# Altium PCB RS2-708_V010.PcbDoc (part 2 of 4) (continued)
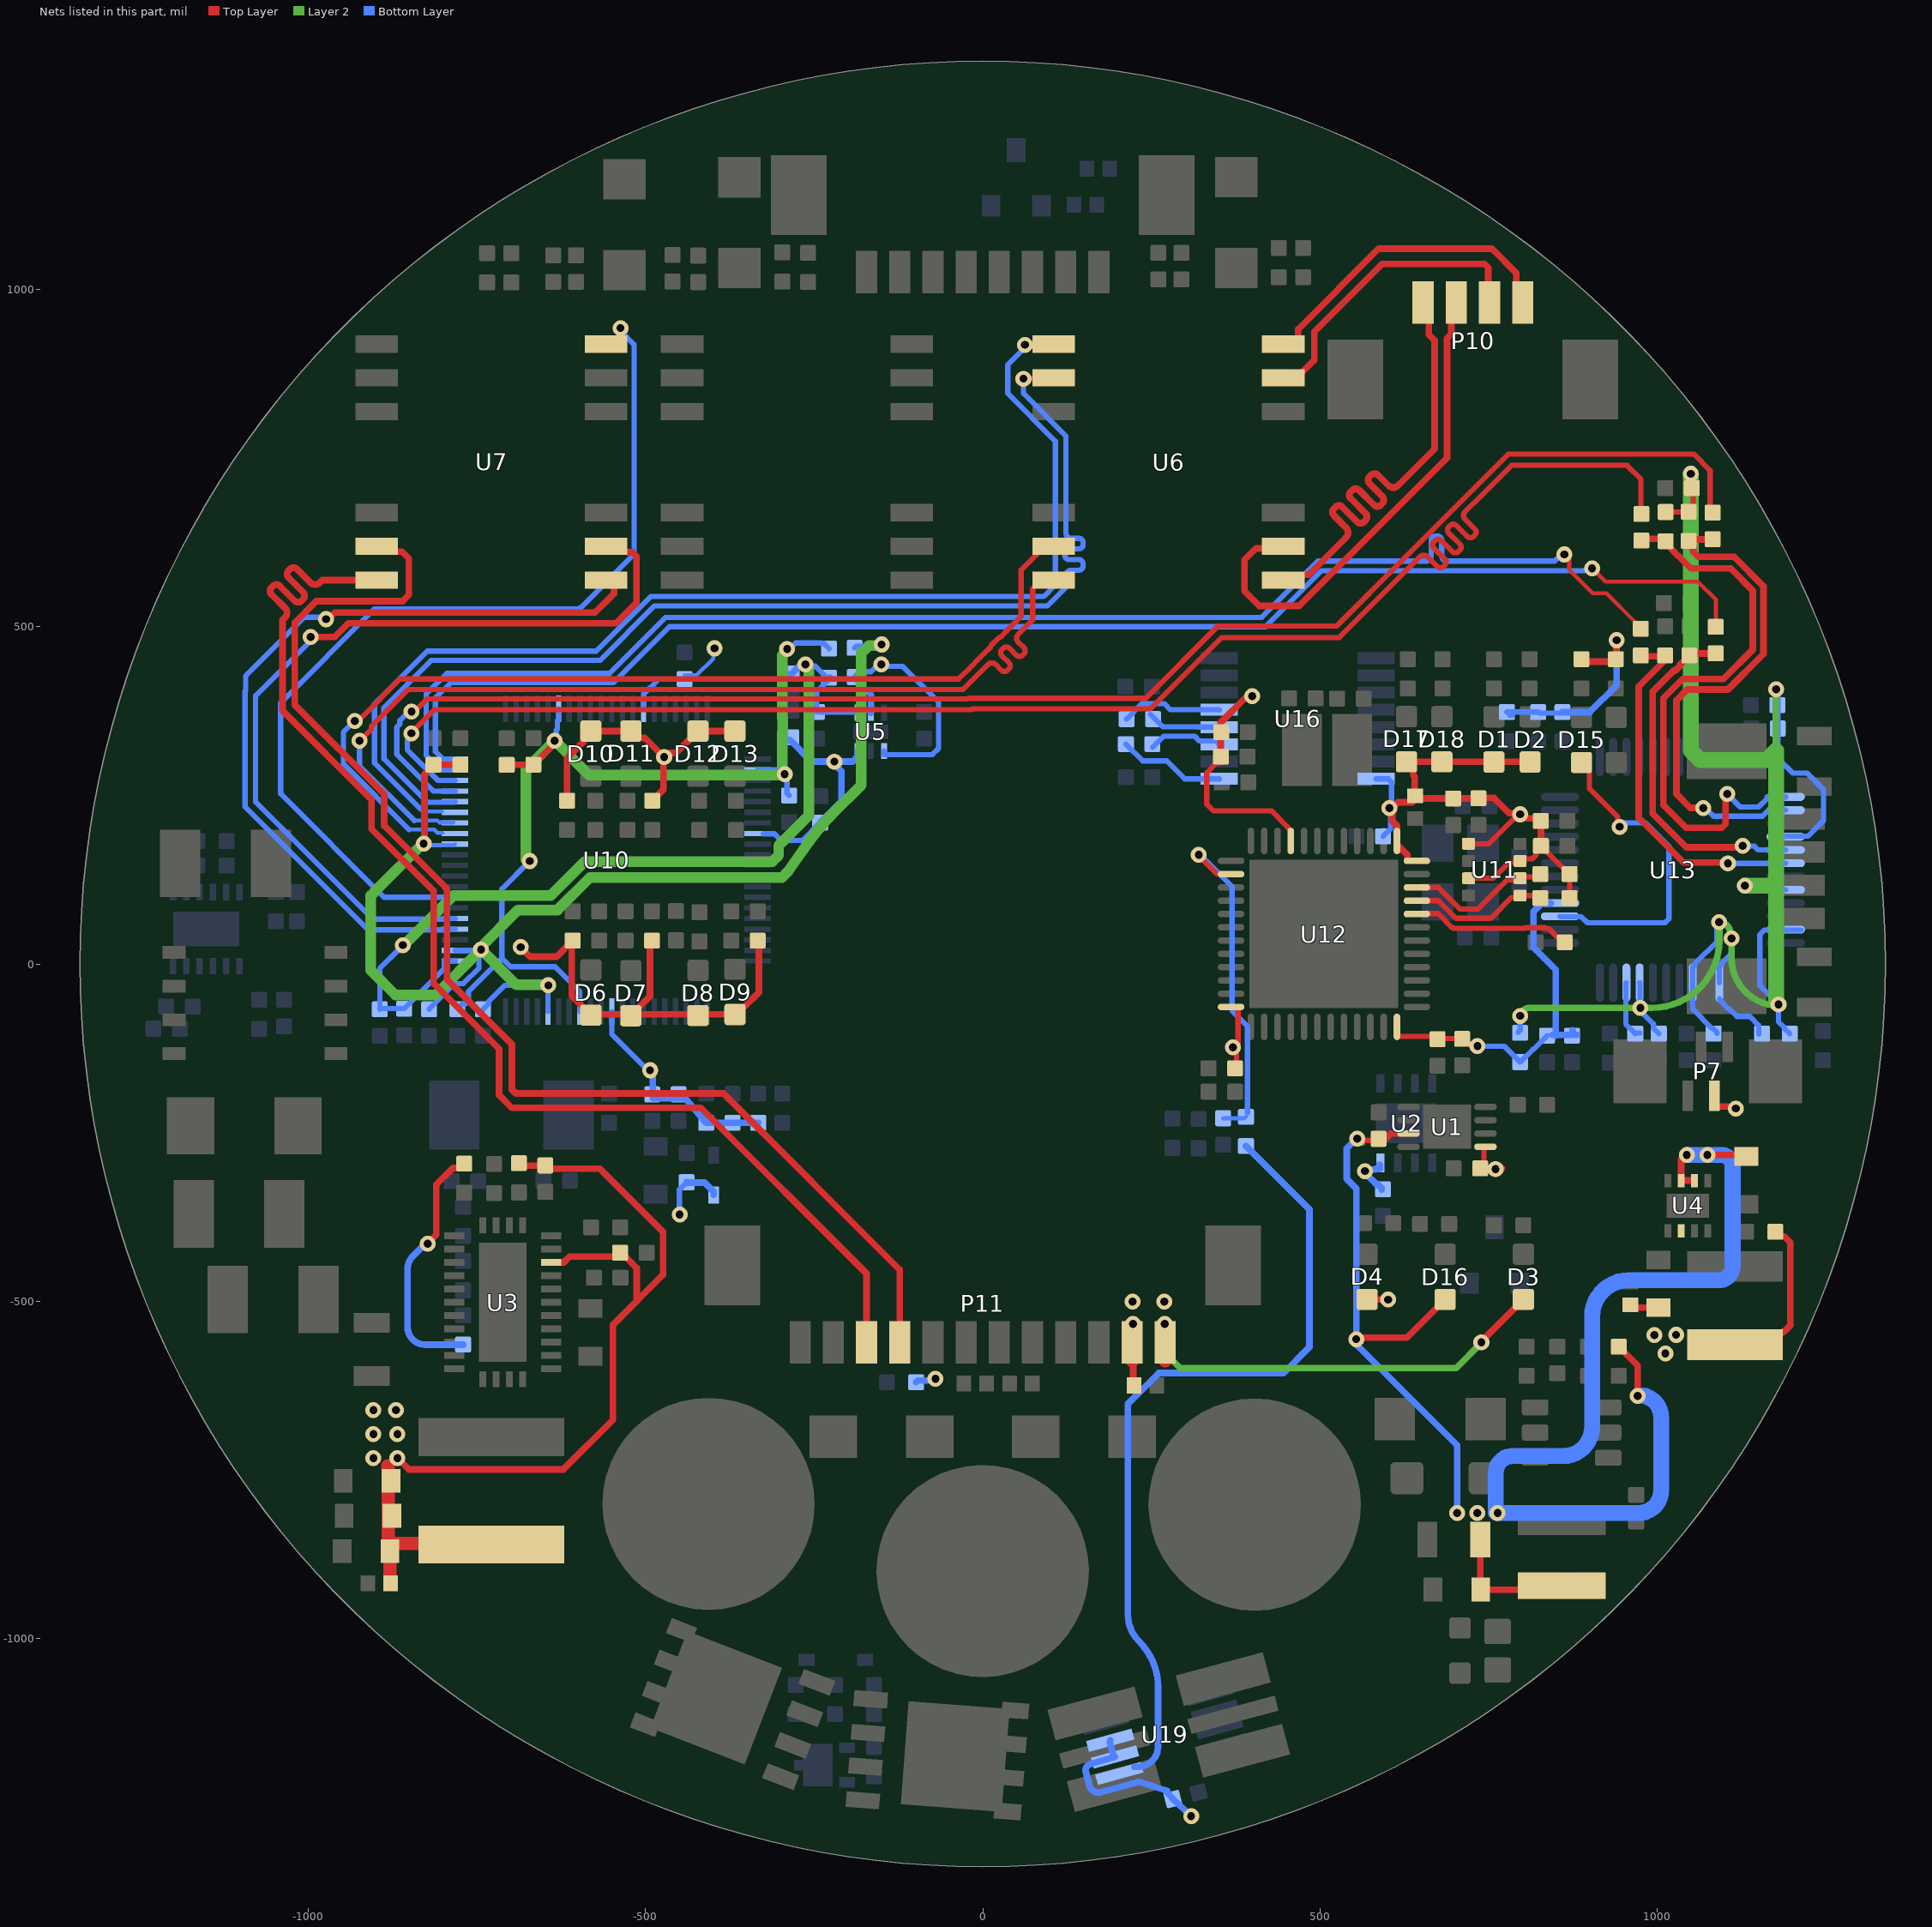
[diagram p4: the nets of this part, all layers, seen from the top]
## Part data (continued)
R61 R62 R63 R66: library part Resistor, "Resistor", Case/Package=0402, Case Code (Metric)=1005, Manufacturer=Yageo, Manufacturer Part Number=RC0402FR-0749R9L, Max Operating Temperature=155°C, Max Power Dissipation=63mW, Min Operating Temperature=-55°C, Package Quantity=1, Power Rating=62.5mW, Resistance=49.9R, Supplier Part Number 1=311-49.9LRCT-ND, Temperature Coefficient=100ppm/°C, Tolerance=1%, Voltage Rating=50V, Case Code (Imperial)=0402, ComponentLink1Description=http://documents.rs-components.com/techlib://itc_doclist_GB.htm?stockno=6184536&src-supplier=RSComponents, ComponentLink1URL=http://documents.rs-components.com/techlib://itc_doclist_GB.htm?stockno=6184536&src-supplier=RSComponents, ComponentLink2Description=http://www.farnell.com/datasheets/2167052.pdf?src-supplier=Element14, ComponentLink2URL=http://www.farnell.com/datasheets/2167052.pdf?src-supplier=Element14, ComponentLink3Description=http://www.yageo.com/documents/recent/PYu-RC0402_51_RoHS_L_6_r.pdf?src-supplier=Future+Electronics, ComponentLink3URL=http://www.yageo.com/documents/recent/PYu-RC0402_51_RoHS_L_6_r.pdf?src-supplier=Future+Electronics, ComponentLink4Description=http://www.yageo.com/documents/recent/PYu-RC_Group_51_RoHS_L_10.pdf?src-supplier=Digi-Key, ComponentLink4URL=http://www.yageo.com/documents/recent/PYu-RC_Group_51_RoHS_L_10.pdf?src-supplier=Digi-Key, Composition="Thick Film", Depth=0.5mm, Features="Moisture Resistant", Height=0.016inch, Lead Free="Lead Free", Length=1mm, Military Standard=Not, Number of Pins=2, Number of Terminations=2, Packaging="Tape and Reel", REACH SVHC="No SVHC", Stock 1=20089105, Supplier 1=Digi-Key, Termination=SMD/SMT, Voltage Rating (DC)=50V, Width=0.5mm, Working Voltage=50V
R65 R67 R74 R75 R79: Case Code (Imperial)=0402, Case Code (Metric)=1005, Manufacturer 1=Panasonic, Manufacturer Part Number 1=ERJ-2RKF1002X, Max Operating Temperature=155°C, Max Power Dissipation=100mW, Min Operating Temperature=-55°C, Package Quantity=1, Resistance=10kR, Supplier Part Number 1=P10.0KLDKR-ND, Temperature Coefficient=100ppm/°C, Tolerance=1%, Voltage Rating=50V, Case/Package=0402, ComponentLink1Description=https://datasheet.ciiva.com/11821/0900766b80f80784-11821171.pdf?src-supplier=RSComponents, ComponentLink1URL=https://datasheet.ciiva.com/11821/0900766b80f80784-11821171.pdf?src-supplier=RSComponents, ComponentLink2Description=https://datasheet.ciiva.com/16199/aoa0000ce2-16199478.pdf?src-supplier=Future+Electronics, ComponentLink2URL=https://datasheet.ciiva.com/16199/aoa0000ce2-16199478.pdf?src-supplier=Future+Electronics, ComponentLink3Description=https://datasheet.ciiva.com/17212/aoa0000ce2-17212102.pdf?src-supplier=Avnet+Europe, ComponentLink3URL=https://datasheet.ciiva.com/17212/aoa0000ce2-17212102.pdf?src-supplier=Avnet+Europe, ComponentLink4Description=https://datasheet.ciiva.com/24023/aoa0000ce2-24023017.pdf?src-supplier=Mouser, ComponentLink4URL=https://datasheet.ciiva.com/24023/aoa0000ce2-24023017.pdf?src-supplier=Mouser, ComponentLink5Description=https://datasheet.ciiva.com/28514/1678782-28514185.pdf?src-supplier=Element14, ComponentLink5URL=https://datasheet.ciiva.com/28514/1678782-28514185.pdf?src-supplier=Element14, ComponentLink6Description=https://datasheet.ciiva.com/43467/1678782-43467402.pdf?src-supplier=Farnell, ComponentLink6URL=https://datasheet.ciiva.com/43467/1678782-43467402.pdf?src-supplier=Farnell, ComponentLink7Description=https://datasheet.ciiva.com/27055/1987020-27055643.pdf?src-supplier=Jameco, ComponentLink7URL=https://datasheet.ciiva.com/27055/1987020-27055643.pdf?src-supplier=Jameco, ComponentLink8Description=https://datasheet.ciiva.com/48531/aoa0000ce2-48531069.pdf?src-supplier=Avnet, ComponentLink8URL=https://datasheet.ciiva.com/48531/aoa0000ce2-48531069.pdf?src-supplier=Avnet, ComponentLink9Description=https://datasheet.ciiva.com/9194/aoa0000ce2-9194142.pdf?src-supplier=Avnet, ComponentLink9URL=https://datasheet.ciiva.com/9194/aoa0000ce2-9194142.pdf?src-supplier=Avnet, ComponentLink10Description=https://datasheet.ciiva.com/16782/70260748-16782590.pdf?src-supplier=Allied+Electronics, ComponentLink10URL=https://datasheet.ciiva.com/16782/70260748-16782590.pdf?src-supplier=Allied+Electronics, ComponentLink11Description=https://datasheet.ciiva.com/16786/70260748-16786734.pdf?src-supplier=Allied+Electronics, ComponentLink11URL=https://datasheet.ciiva.com/16786/70260748-16786734.pdf?src-supplier=Allied+Electronics, ComponentLink12Description=https://datasheet.ciiva.com/30201/aoa0000ce2-30201022.pdf?src-supplier=Onlinecomponents.com, ComponentLink12URL=https://datasheet.ciiva.com/30201/aoa0000ce2-30201022.pdf?src-supplier=Onlinecomponents.com, Composition="Thick Film", Contact Plating=Tin, Depth=0.5mm, Features="Automotive AEC-Q200", Height=0.35mm, Lead Free="Lead Free", Length=1mm, Military Standard=Not, Mount="Surface Mount", Number of Pins=2, Number of Terminations=2, Packaging="Tape and Reel", Power Rating=100mW, Pricing 1="1=0,10000, 10=0,04100, 100=0,01680, 1000=0,00753, 2500=0,00653, 5000=0,00540 (USD)", Radiation Hardening=No, REACH SVHC="No SVHC", RoHS=Yes, Stock 1=3290329, Supplier 1=Digi-Key, Termination=SMD/SMT, Voltage Rating (DC)=50V, Width=0.02inch
R71: "RES 0.005 OHM 1% 2W 2512", Case Code (Imperial)=2512, Case Code (Metric)=6432, Manufacturer 1=Rohm, Manufacturer Part Number 1=PMR100HZPFU5L00, Max Operating Temperature=155°C, Max Power Dissipation=2W, Min Operating Temperature=-55°C, Package Quantity=1, Resistance=5mR, Resistor Type="Thick Film", Supplier Part Number 1=RHM.005AUCT-ND, Temperature Coefficient=100ppm/°C, Tolerance=1%, Case/Package=2512, Category="Chip SMD Resistors", ComponentLink1Description=https://datasheet.ciiva.com/2481/pmr-2481532.pdf?src-supplier=Digi-Key, ComponentLink1URL=https://datasheet.ciiva.com/2481/pmr-2481532.pdf?src-supplier=Digi-Key, ComponentLink2Description=https://datasheet.ciiva.com/2481/pmr-2481533.pdf?src-supplier=Digi-Key, ComponentLink2URL=https://datasheet.ciiva.com/2481/pmr-2481533.pdf?src-supplier=Digi-Key, ComponentLink3Description=https://datasheet.ciiva.com/2481/pmr-2481534.pdf?src-supplier=Digi-Key, ComponentLink3URL=https://datasheet.ciiva.com/2481/pmr-2481534.pdf?src-supplier=Digi-Key, Contact Plating=Tin, Features="Automotive AEC-Q200", Height=0.026inch, Lead Free="Lead Free", Length=0.252inch, Number of Terminations=2, Packaging="Tape and Reel", Power Rating=2W, Pricing 1="1=0,70000, 10=0,51800, 25=0,42080, 50=0,36600, 100=0,30200, 250=0,26232, 500=0,21350, 1000=0,16934 (USD)", RoHS=Yes, RoHS Compliant=Yes, Series=PMR, Stock 1=205808, Supplier 1=Digi-Key, Width=0.126inch
R76: Case Code (Imperial)=0402, Case Code (Metric)=1005, Manufacturer 1=Panasonic, Manufacturer Part Number 1=ERJ-2RKF10R0X, Max Operating Temperature=155°C, Max Power Dissipation=100mW, Min Operating Temperature=-55°C, Package Quantity=1, Resistance=10R, Supplier Part Number 1=P10.0LDKR-ND, Temperature Coefficient=100ppm/°C, Tolerance=1%, Voltage Rating=50V, Case/Package=0402, ComponentLink1Description=https://datasheet.ciiva.com/11821/0900766b80f80784-11821168.pdf?src-supplier=RSComponents, ComponentLink1URL=https://datasheet.ciiva.com/11821/0900766b80f80784-11821168.pdf?src-supplier=RSComponents, ComponentLink2Description=https://datasheet.ciiva.com/7802/aoa0000ce2-7802405.pdf?src-supplier=Element14, ComponentLink2URL=https://datasheet.ciiva.com/7802/aoa0000ce2-7802405.pdf?src-supplier=Element14, ComponentLink3Description=https://datasheet.ciiva.com/16773/70260748-16773366.pdf?src-supplier=Allied+Electronics, ComponentLink3URL=https://datasheet.ciiva.com/16773/70260748-16773366.pdf?src-supplier=Allied+Electronics, ComponentLink4Description=https://datasheet.ciiva.com/43467/1678782-43467127.pdf?src-supplier=Farnell, ComponentLink4URL=https://datasheet.ciiva.com/43467/1678782-43467127.pdf?src-supplier=Farnell, ComponentLink5Description=https://datasheet.ciiva.com/9194/aoa0000ce2-9194120.pdf?src-supplier=Avnet, ComponentLink5URL=https://datasheet.ciiva.com/9194/aoa0000ce2-9194120.pdf?src-supplier=Avnet, ComponentLink6Description=https://datasheet.ciiva.com/30218/aoa0000ce2-30218536.pdf?src-supplier=Onlinecomponents.com, ComponentLink6URL=https://datasheet.ciiva.com/30218/aoa0000ce2-30218536.pdf?src-supplier=Onlinecomponents.com, ComponentLink7Description=https://datasheet.ciiva.com/17212/aoa0000ce2-17212057.pdf?src-supplier=Avnet+Europe, ComponentLink7URL=https://datasheet.ciiva.com/17212/aoa0000ce2-17212057.pdf?src-supplier=Avnet+Europe, ComponentLink8Description=https://datasheet.ciiva.com/24071/aoa0000ce2-24071514.pdf?src-supplier=Mouser, ComponentLink8URL=https://datasheet.ciiva.com/24071/aoa0000ce2-24071514.pdf?src-supplier=Mouser, ComponentLink9Description=https://datasheet.ciiva.com/27055/1987054-27055644.pdf?src-supplier=Jameco, ComponentLink9URL=https://datasheet.ciiva.com/27055/1987054-27055644.pdf?src-supplier=Jameco, ComponentLink10Description=https://datasheet.ciiva.com/6082/aoa0000ce2-6082046.pdf?src-supplier=Farnell, ComponentLink10URL=https://datasheet.ciiva.com/6082/aoa0000ce2-6082046.pdf?src-supplier=Farnell, ComponentLink11Description=https://datasheet.ciiva.com/22668/1678782-22668302.pdf?src-supplier=Element14, ComponentLink11URL=https://datasheet.ciiva.com/22668/1678782-22668302.pdf?src-supplier=Element14, Composition="Thick Film", Contact Plating=Tin, Depth=0.5mm, Features="Automotive AEC-Q200", Height=0.35mm, Lead Free="Lead Free", Length=1mm, Military Standard=Not, Mount="Surface Mount", Number of Pins=2, Number of Terminations=2, Packaging="Tape and Reel", Power Rating=100mW, Pricing 1="1=0,10000, 10=0,04800, 100=0,01960, 1000=0,00882, 2500=0,00766, 5000=0,00633 (USD)", Radiation Hardening=No, REACH SVHC="No SVHC", RoHS=Yes, Stock 1=5683093, Supplier 1=Digi-Key, Termination=SMD/SMT, Voltage Rating (DC)=50V, Width=0.5mm
R77: "RES SMD 20K OHM 5% 1/4W 0603", Case Code (Imperial)=0603, Case Code (Metric)=1608, Manufacturer 1=Panasonic, Manufacturer Part Number 1=ERJ-PA3J203V, Max Operating Temperature=155°C, Max Power Dissipation=250mW, Min Operating Temperature=-55°C, Resistance=20kR, Resistor Type="Thick Film", Supplier Part Number 1=P20KBZCT-ND, Temperature Coefficient=200ppm/°C, Tolerance=5%, Case/Package=0603, Category="Chip SMD Resistors", ComponentLink1Description=https://industrial.panasonic.com/cdbs/www-data/pdf/RDO0000/AOA0000C331.pdf?src-supplier=Digi-Key, ComponentLink1URL=https://industrial.panasonic.com/cdbs/www-data/pdf/RDO0000/AOA0000C331.pdf?src-supplier=Digi-Key, Features="Automotive AEC-Q200", Height=0.018inch, Length=0.063inch, Number of Terminations=2, Packaging="Tape and Reel", Pricing 1="1=0,10000, 10=0,08600, 100=0,03300, 1000=0,01452, 2500=0,01254 (USD)", RoHS=Yes, Stock 1=22079, Supplier 1=Digi-Key, Width=0.031inch
T1: library part "NPN Transistor", "Trans GP BJT NPN 80V 3-Pin SOT-1061D T/R", Case/Package=SMD/SMT, Collector Base Voltage (VCBO)=100V, Collector Emitter Breakdown Voltage=80V, Collector Emitter Voltage (VCEO)=500mV, Emitter Base Voltage (VEBO)=5V, Manufacturer 1="NXP Semiconductors", Manufacturer Part Number 1=BC56-10PASX, Max Collector Current=1A, Max Operating Temperature=150°C, Max Power Dissipation=420mW, Min Operating Temperature=-55°C, Supplier Part Number 1=1727-2349-1-ND, Transition Frequency=180MHz, Category=BJTs, ComponentLink1Description=http://www.nxp.com/documents/data_sheet/BC54_55_56PAS_SER.pdf?src-supplier=Avnet, ComponentLink1URL=http://www.nxp.com/documents/data_sheet/BC54_55_56PAS_SER.pdf?src-supplier=Avnet, Contact Plating=Tin, Max Breakdown Voltage=80V, Mount="Surface Mount", Number of Pins=3, Packaging="Tape and Reel", Pricing 1="1=0,46000, 10=0,32000, 25=0,29800, 100=0,16170, 500=0,13194, 1000=0,09789 (USD)", RoHS=Yes, Stock 1=2894, Supplier 1=Digi-Key
U1: "Can Fd Transceiver With Silent Mode / 8 Tdfn 2X3X0.8Mm T/r", Manufacturer 1=Microchip, Max Operating Temperature=150°C, Min Operating Temperature=-40°C, Supplier Part Number 1=MCP2558FDT-H/MNYCT-ND, Category="Interface ICs", ComponentLink1Description=http://www.microchip.com/mymicrochip/filehandler.aspx?ddocname=en585652&src-supplier=Digi-Key, ComponentLink1URL=http://www.microchip.com/mymicrochip/filehandler.aspx?ddocname=en585652&src-supplier=Digi-Key, Manufacturer Part Number 1=MCP2558FDT-H/MNY, Manufacturer_Part_Number=MCP2558FDT-H/MNY, Mount="Surface Mount", Packaging="Tape and Reel", Pricing 1="1=0,85000, 25=0,70000, 100=0,69000 (USD)", Receiver Hysteresis=200mV, RoHS=Yes, RoHS Compliant=Yes, Stock 1=6428, Supplier 1=Digi-Key, Vendor=Microchip
U2: library part MAX22501EATA+, Manufacturer="Maxim Integrated", Supplier Part Number=MAX22501EATA+-ND, Component Type="1/1 Transceiver Half RS422, RS485 8-TDFN (3x3)", Manufacturer Part Number=MAX22501EATA+, Price=2.91, Supplier=Digi-Key
U3: "Buck Switching Regulator IC Positive Adjustable 1V 1 Output 3.5A 30-WFQFN Exposed Pad", Manufacturer 1="Texas Instruments", Max Input Voltage=60V, Max Operating Temperature=125°C, Max Output Voltage=57V, Min Input Voltage=3.5V, Min Operating Temperature=-40°C, Min Output Voltage=1V, Output Current=3.5A, Supplier Part Number 1=296-49740-1-ND, Switching Frequency=2.2MHz, ComponentLink1Description=http://www.ti.com/lit/ds/symlink/lm76003.pdf?src-supplier=Digi-Key, ComponentLink1URL=http://www.ti.com/lit/ds/symlink/lm76003.pdf?src-supplier=Digi-Key, Manufacturer Part Number 1=LM76003RNPR, Mount="Surface Mount", Number of Outputs=1, Output Configuration=Positive, Output Type=Adjustable, Packaging="Tape and Reel", Pricing 1="1=6,06000, 10=5,44500, 25=5,14800, 100=4,23280, 250=3,79808, 500=3,66080, 1000=3,04304 (USD)", RoHS=No, Stock 1=8327, Supplier 1=Digi-Key, Synchronous Rectifier=Yes
U4: library part TPS6216X, Case/Package=SOIC, Manufacturer 1="Texas Instruments", Manufacturer Part Number 1=TPS62162DSGT, Max Input Voltage=17V, Max Operating Temperature=125°C, Max Output Current=1A, Max Output Voltage=3.3V, Min Input Voltage=3V, Min Operating Temperature=-40°C, Package Quantity=1, Quiescent Current=17uA, Supplier Part Number 1=296-29897-1-ND, Switching Frequency=2.25MHz, ComponentLink1Description=https://datasheet.ciiva.com/2026/tps62160-2026052.pdf?src-supplier=Digi-Key, ComponentLink1URL=https://datasheet.ciiva.com/2026/tps62160-2026052.pdf?src-supplier=Digi-Key, ComponentLink2Description=https://datasheet.ciiva.com/2026/tps62160-2026053.pdf?src-supplier=Digi-Key, ComponentLink2URL=https://datasheet.ciiva.com/2026/tps62160-2026053.pdf?src-supplier=Digi-Key, ComponentLink3Description=https://datasheet.ciiva.com/2026/tps62160-2026054.pdf?src-supplier=Digi-Key, ComponentLink3URL=https://datasheet.ciiva.com/2026/tps62160-2026054.pdf?src-supplier=Digi-Key, ComponentLink4Description=https://datasheet.ciiva.com/46425/1857528-46425721.pdf?src-supplier=Element14, ComponentLink4URL=https://datasheet.ciiva.com/46425/1857528-46425721.pdf?src-supplier=Element14, ComponentLink5Description=https://datasheet.ciiva.com/46425/1857528-46425722.pdf?src-supplier=Element14, ComponentLink5URL=https://datasheet.ciiva.com/46425/1857528-46425722.pdf?src-supplier=Element14, ComponentLink6Description=https://datasheet.ciiva.com/46425/1857528-46425743.pdf?src-supplier=Element14, ComponentLink6URL=https://datasheet.ciiva.com/46425/1857528-46425743.pdf?src-supplier=Element14, Contact Plating=Gold, Height=0.75mm, Lead Free="Lead Free", Length=2.1mm, Min Output Voltage=3.3V, Nominal Output Voltage=3.3V, Number of Outputs=1, Number of Pins=8, Operating Supply Voltage=17V, Output Configuration=Positive, Output Current=1A, Output Type=Fixed, Output Voltage=3.3V, Packaging="Tape and Reel", Pricing 1="1=1,63000, 10=1,46000, 25=1,38600, 100=1,06430 (USD)", Radiation Hardening=No, REACH SVHC="No SVHC", RoHS=Yes, Stock 1=23948, Supplier 1=Digi-Key, Synchronous Rectifier=Yes, Width=2.1mm
U5: "Linear Voltage Regulator", Manufacturer 1=Microchip, Manufacturer Part Number 1=MIC5309-1.2YMT-TR, Supplier Part Number 1=576-3050-1-ND, ComponentLink1Description=https://datasheet.ciiva.com/46425/1833743-46425628.pdf?src-supplier=Element14, ComponentLink1URL=https://datasheet.ciiva.com/46425/1833743-46425628.pdf?src-supplier=Element14, Pricing 1="1=0,81000, 25=0,67000, 100=0,61000 (USD)", RoHS=Yes, Stock 1=5043, Supplier 1=Digi-Key
U6 U7 U8: library part 749020100, "350µH LAN 10/100/1000 Base-T Pulse Transformer 1:1 Surface Mount", Inductance=350uH, Manufacturer 1="Wurth Electronics", Package Quantity=1, Supplier Part Number 1=732-3268-1-ND, ComponentLink1Description=https://datasheet.ciiva.com/1378/1736628-1378085.pdf?src-supplier=Element14, ComponentLink1URL=https://datasheet.ciiva.com/1378/1736628-1378085.pdf?src-supplier=Element14, ComponentLink2Description=https://datasheet.ciiva.com/2938/749020100-2938743.pdf?src-supplier=Digi-Key, ComponentLink2URL=https://datasheet.ciiva.com/2938/749020100-2938743.pdf?src-supplier=Digi-Key, ComponentLink3Description=https://datasheet.ciiva.com/2938/749020100-2938744.pdf?src-supplier=Digi-Key, ComponentLink3URL=https://datasheet.ciiva.com/2938/749020100-2938744.pdf?src-supplier=Digi-Key, ComponentLink4Description=https://datasheet.ciiva.com/2938/749020100-2938745.pdf?src-supplier=Digi-Key, ComponentLink4URL=https://datasheet.ciiva.com/2938/749020100-2938745.pdf?src-supplier=Digi-Key, Height - Seated (Max)=2.16mm, Length=12.83mm, Manufacturer Part Number 1=749020100, Mount="Surface Mount", Pricing 1="1=6,48000, 25=5,60800, 100=4,94900, 250=4,61900, 500=4,12402 (USD)", REACH SVHC=Unknown, RoHS=Yes, Stock 1=1037, Supplier 1=Digi-Key, Width=6.7mm
U9: library part LMR16006, "SIMPLE SWITCHER® 4V to 60V, 600mA Step-Down Regulator with Low Iq 6-SOT-23-THIN -40 to 125", Case/Package=SOT-23-6, Manufacturer 1="Texas Instruments", Manufacturer Part Number 1=LMR16006XDDCR, Max Input Voltage=60V, Max Operating Temperature=125°C, Max Output Current=600mA, Max Output Voltage=55V, Min Input Voltage=4V, Min Operating Temperature=-40°C, Min Output Voltage=765mV, Quiescent Current=28uA, Supplier Part Number 1=296-40293-1-ND, Switching Frequency=700kHz, Category="Power Supply Modules", ComponentLink1Description=http://www.ti.com/general/docs/lit/getliterature.tsp?genericPartNumber=LMR16006&&fileType=pdf&src-supplier=Avnet, ComponentLink1URL=http://www.ti.com/general/docs/lit/getliterature.tsp?genericPartNumber=LMR16006&&fileType=pdf&src-supplier=Avnet, ComponentLink2Description=http://www.ti.com/lit/ds/symlink/lmr16006.pdf?src-supplier=Digi-Key, ComponentLink2URL=http://www.ti.com/lit/ds/symlink/lmr16006.pdf?src-supplier=Digi-Key, ComponentLink3Description=http://www.ti.com/general/docs/lit/getliterature.tsp?genericPartNumber=LMR16006&amp;&amp;fileType=pdf&src-supplier=Farnell, ComponentLink3URL=http://www.ti.com/general/docs/lit/getliterature.tsp?genericPartNumber=LMR16006&amp;&amp;fileType=pdf&src-supplier=Farnell, ComponentLink4Description=http://www.ti.com/general/docs/lit/getliterature.tsp?genericPartNumber=LMR16006&&fileType=pdf&src-supplier=Element14, ComponentLink4URL=http://www.ti.com/general/docs/lit/getliterature.tsp?genericPartNumber=LMR16006&&fileType=pdf&src-supplier=Element14, ComponentLink5Description=http://www.ti.com/general/docs/lit/getliterature.tsp?genericPartNumber=LMR16006&amp;&amp;fileType=pdf&src-supplier=Avnet+Asia, ComponentLink5URL=http://www.ti.com/general/docs/lit/getliterature.tsp?genericPartNumber=LMR16006&amp;&amp;fileType=pdf&src-supplier=Avnet+Asia, Contact Plating=Gold, Lead Free="Lead Free", Mount="Surface Mount", Number of Outputs=1, Number of Pins=6, Operating Supply Voltage=60V, Output Configuration=Positive, Output Current=600mA, Output Type=Adjustable, Output Voltage=55V, Packaging="Tape and Reel", Pricing 1="1=3,26000, 10=2,93100, 25=2,77120, 100=2,40190, 250=2,27868, 500=2,04466, 1000=2,03350 (USD)", REACH SVHC="No SVHC", RoHS=Yes, RoHS Compliant=Yes, Supplier 1=Digi-Key, Synchronous Rectifier=No
U10: "5Port   Ethernet Controller 10/100 Base-T/TX PHY MII, RMII Interface 80-LQFP (10x10)", Manufacturer 1=Microchip, Manufacturer Part Number 1=KSZ8795CLXIC, Supplier Part Number 1=576-4853-ND, ComponentLink1Description=http://www.mouser.com/ds/2/268/KSZ8795CLX-776186.pdf?src-supplier=Mouser, ComponentLink1URL=http://www.mouser.com/ds/2/268/KSZ8795CLX-776186.pdf?src-supplier=Mouser, ComponentLink2Description=http://www.microchip.com/mymicrochip/filehandler.aspx?ddocname=en585610&src-supplier=Digi-Key, ComponentLink2URL=http://www.microchip.com/mymicrochip/filehandler.aspx?ddocname=en585610&src-supplier=Digi-Key, ComponentLink3Description=http://www.farnell.com/datasheets/2337812.pdf?src-supplier=Newark, ComponentLink3URL=http://www.farnell.com/datasheets/2337812.pdf?src-supplier=Newark, Pricing 1="1=5,36000, 25=4,46000, 100=4,31250 (USD)", RoHS=Yes, Stock 1=1232, Supplier 1=Digi-Key
U11: library part BME280, "Bosch Temp, Hum, Abs Pressure Environmental Sensor", Case/Package=LGA, Manufacturer 1=Bosch, Max Operating Temperature=85°C, Min Operating Temperature=-40°C, Supplier Part Number 1=828-1063-1-ND, Accuracy=3%, ComponentLink1Description=https://ae-bst.resource.bosch.com/media/_tech/media/datasheets/BST-BME280-DS002.pdf?src-supplier=Digi-Key, ComponentLink1URL=https://ae-bst.resource.bosch.com/media/_tech/media/datasheets/BST-BME280-DS002.pdf?src-supplier=Digi-Key, ComponentLink2Description=https://ae-bst.resource.bosch.com/media/_tech/media/product_flyer/BME280_Productflyer_BST_20170109.pdf?src-supplier=Arrow, ComponentLink2URL=https://ae-bst.resource.bosch.com/media/_tech/media/product_flyer/BME280_Productflyer_BST_20170109.pdf?src-supplier=Arrow, ComponentLink3Description=https://ae-bst.resource.bosch.com/media/_tech/media/product_flyer/BME280_Productflyer_BST_20170109.pdf?src-supplier=Mouser, ComponentLink3URL=https://ae-bst.resource.bosch.com/media/_tech/media/product_flyer/BME280_Productflyer_BST_20170109.pdf?src-supplier=Mouser, ComponentLink4Description=https://ae-bst.resource.bosch.com/media/_tech/media/product_flyer/BME280_Productflyer_BST_20170109.pdf?src-supplier=NAC+Semi, ComponentLink4URL=https://ae-bst.resource.bosch.com/media/_tech/media/product_flyer/BME280_Productflyer_BST_20170109.pdf?src-supplier=NAC+Semi, Lead Free="Lead Free", Manufacturer Part Number 1=BME280, Mount="Surface Mount", Number of Pins=8, Output Type=SPI,I2C, Packaging="Cut Tape", Pricing 1="1=6,55000, 5=5,77600, 10=5,10100, 25=4,13880, 50=3,65760, 100=3,56130, 500=2,98376, 1000=2,79126, 5000=2,59876 (USD)", Response Time=1s, RoHS=No, Sensor Type=Temperature, Stock 1=18369, Supplier 1=Digi-Key
U12: library part STM32F413CHU, "ARM Cortex-M4 32-bit MCU+FPU, 105 DMIPS, 128 kB Flash, 64 kB Internal RAM, 36 I/Os, 48-pin UFQFPN, -40 to 85 degC, Tray", Case/Package=UFQFPN, Frequency=100MHz, Manufacturer=STMicroelectronics, Max Operating Temperature=85°C, Min Operating Temperature=-40°C, Supplier Part Number 1=497-17018-ND, Component Type="'ARM® Cortex®-M4, 32Bit, 100mhz, 48-UFQFPN (7x7)", Core Architecture=ARM, Interface=I2C,USB,IrDA,MMC,SDIO,UART,USART, Manufacturer Part Number=STM32F413CHU6, Memory Size=1.5MB, Memory Type=FLASH, Number of I/Os=36, Oscillator Type=Internal, Packaging=Tray, Peripherals="Brown-out Detect/Reset,POR,PWM,WDT,DMA,LCD", Stock 1=2911, Supplier 1=Digi-Key
U13: "Ethernet to SPI MCU converter. Onboard TCP handling", Case/Package=LQFP, Manufacturer 1=WIZnet, Manufacturer Part Number 1=W5500, Max Operating Temperature=85°C, Max Supply Current=132mA, Max Supply Voltage=3.63V, Min Operating Temperature=-40°C, Min Supply Voltage=2.97V, Package Quantity=250, Supplier Part Number 1=1278-1021-ND, ComponentLink1Description=https://datasheet.ciiva.com/29644/w5500-ds-v100e-29644866.pdf?src-supplier=Digi-Key, ComponentLink1URL=https://datasheet.ciiva.com/29644/w5500-ds-v100e-29644866.pdf?src-supplier=Digi-Key, ComponentLink2Description=https://datasheet.ciiva.com/24199/w5500-24199988.pdf?src-supplier=Future+Electronics, ComponentLink2URL=https://datasheet.ciiva.com/24199/w5500-24199988.pdf?src-supplier=Future+Electronics, Interface=SPI, Lead Free="Lead Free", Number of Pins=48, Number of Transceivers=1, Operating Supply Current=132mA, Packaging=Tray, Pricing 1="1=3,95000, 10=3,54600, 25=3,35240, 100=2,75650, 250=2,47340, 500=2,38400, 1000=1,98170, 2500=1,90720, 5000=1,84760 (USD)", RoHS=Yes, Stock 1=8927, Supplier 1=Digi-Key
U14: "MOSFET MOSFET_(75V 120V(", Mfr_Name=Infineon, Copyright="Copyright (C) 2021 Ultra Librarian. All rights reserved.", Manufacturer_Part_Number=IPG16N10S461AATMA1, RefDes=RefDes, Type=DEV
U15: library part LM74800QDRRRQ1, "No Description Available", Mfr_Name="Texas Instruments", Copyright="Copyright (C) 2021 Ultra Librarian. All rights reserved.", Manufacturer_Part_Number=LM74801QDRRRQ1, RefDes=RefDes, Type=DEV
U16: library part ST3232ECTR, Manufacturer=STMicroelectronics, Supplier Part Number=497-6538-1-ND, Component Type="2/2 Transceiver Full RS232 16-TSSOP", Manufacturer Part Number=ST3232ECTR, Price=1.41, Supplier=Digi-Key
U17 U18: library part "MOSFET - P - Single", "Trans MOSFET P-CH 80V 10.2A 8-Pin PowerPAK SO T/R", Continuous Drain Current (ID)=28A, Current=27A, Drain to Source Resistance=25mR, Drain to Source Voltage (Vdss)=-80V, Gate to Source Voltage (Vgs)=20V, Input Capacitance=4.7nF, Manufacturer 1="Vishay Siliconix", Manufacturer Part Number 1=SI7469DP-T1-E3, Max Operating Temperature=150°C, Max Power Dissipation=83W, Min Operating Temperature=-55°C, On-State Resistance=25MR, Package Quantity=3000, Power Dissipation=5.2W, Supplier Part Number 1=SI7469DP-T1-E3CT-ND, Threshold Voltage=-3V, Voltage=80V, Category=MOSFETs, ComponentLink1Description=https://datasheet.ciiva.com/16217/si7469dp-16217521.pdf?src-supplier=Future+Electronics, ComponentLink1URL=https://datasheet.ciiva.com/16217/si7469dp-16217521.pdf?src-supplier=Future+Electronics, ComponentLink2Description=https://datasheet.ciiva.com/933/si7469dp-933865.pdf?src-supplier=Digi-Key, ComponentLink2URL=https://datasheet.ciiva.com/933/si7469dp-933865.pdf?src-supplier=Digi-Key, ComponentLink3Description=https://datasheet.ciiva.com/7710/si7469dp-7710284.pdf?src-supplier=Element14, ComponentLink3URL=https://datasheet.ciiva.com/7710/si7469dp-7710284.pdf?src-supplier=Element14, ComponentLink4Description=https://datasheet.ciiva.com/18432/70026415-18432556.pdf?src-supplier=Allied+Electronics, ComponentLink4URL=https://datasheet.ciiva.com/18432/70026415-18432556.pdf?src-supplier=Allied+Electronics, ComponentLink5Description=https://datasheet.ciiva.com/11159/si7469dp-11159781.pdf?src-supplier=Avnet, ComponentLink5URL=https://datasheet.ciiva.com/11159/si7469dp-11159781.pdf?src-supplier=Avnet, ComponentLink6Description=https://datasheet.ciiva.com/933/si7469dp-933864.pdf?src-supplier=Digi-Key, ComponentLink6URL=https://datasheet.ciiva.com/933/si7469dp-933864.pdf?src-supplier=Digi-Key, ComponentLink7Description=https://datasheet.ciiva.com/11161/si7469dp-11161528.pdf?src-supplier=Avnet, ComponentLink7URL=https://datasheet.ciiva.com/11161/si7469dp-11161528.pdf?src-supplier=Avnet, ComponentLink8Description=https://datasheet.ciiva.com/933/si7469dp-933866.pdf?src-supplier=Digi-Key, ComponentLink8URL=https://datasheet.ciiva.com/933/si7469dp-933866.pdf?src-supplier=Digi-Key, Element Configuration=Single, Fall Time=110ns, Height=1.04mm, Lead Free="Lead Free", Length=4.9mm, Mount="Surface Mount", Number of Channels=1, Number of Elements=1, Number of Pins=8, Packaging="Tape and Reel", Pricing 1="1=2,66000, 10=2,21000, 25=2,13800, 100=1,75920, 500=1,48858, 1000=1,26303 (USD)", Rds On Max=25mR, REACH SVHC="No SVHC", Rise Time=220ns, RoHS=Yes, Stock 1=17352, Supplier 1=Digi-Key, Turn-Off Delay Time=105ns, Turn-On Delay Time=45ns, Weight=0.01787oz, Width=5.89mm
U19: library part AD8418BRMZ, "Current Sense Amplifier", Manufacturer="Analog Devices Inc", Supplier Part Number=AD8418BRMZ-ND, Component Type="Current Sense Amplifier 1 Circuit 8-MSOP", Manufacturer Part Number=AD8418BRMZ, Price=3.50, Supplier=Digi-Key
W1 W2 W3: library part Wiring_CrimpConnector, "Wiring Crimp Connector"
Y1: library part "Crystal Oscillator", "Crystal Oscillator", Case/Package=CSMD, ESR (Equivalent Series Resistance)=50R, Frequency=25MHz, Frequency Stability=30ppm, Frequency Tolerance=20ppm, Load Capacitance=18pF, Manufacturer 1=Abracon, Manufacturer Part Number 1=ABM7-25.000MHZ-D2Y-T, Max Operating Temperature=85°C, Min Operating Temperature=-40°C, Package Quantity=1000, Supplier Part Number 1=535-9847-1-ND, ComponentLink1Description=https://datasheet.ciiva.com/15116/getdatasheetpartid-719821-15116724.pdf?src-supplier=Verical, ComponentLink1URL=https://datasheet.ciiva.com/15116/getdatasheetpartid-719821-15116724.pdf?src-supplier=Verical, ComponentLink2Description=https://datasheet.ciiva.com/29998/abm7-29998167.pdf?src-supplier=Avnet, ComponentLink2URL=https://datasheet.ciiva.com/29998/abm7-29998167.pdf?src-supplier=Avnet, ComponentLink3Description=https://datasheet.ciiva.com/16416/abm7-16416969.pdf?src-supplier=Future+Electronics, ComponentLink3URL=https://datasheet.ciiva.com/16416/abm7-16416969.pdf?src-supplier=Future+Electronics, ComponentLink4Description=https://datasheet.ciiva.com/1357/947971-1357275.pdf?src-supplier=Element14, ComponentLink4URL=https://datasheet.ciiva.com/1357/947971-1357275.pdf?src-supplier=Element14, ComponentLink5Description=https://datasheet.ciiva.com/18649/abm7-18649868.pdf?src-supplier=Digi-Key, ComponentLink5URL=https://datasheet.ciiva.com/18649/abm7-18649868.pdf?src-supplier=Digi-Key, ComponentLink6Description=https://datasheet.ciiva.com/18649/abm7-18649869.pdf?src-supplier=Digi-Key, ComponentLink6URL=https://datasheet.ciiva.com/18649/abm7-18649869.pdf?src-supplier=Digi-Key, ComponentLink7Description=https://datasheet.ciiva.com/18649/abm7-18649870.pdf?src-supplier=Digi-Key, ComponentLink7URL=https://datasheet.ciiva.com/18649/abm7-18649870.pdf?src-supplier=Digi-Key, Composition=Ceramic, Depth=3.5mm, Height=0.055inch, Lead Free="Lead Free", Length=6mm, Mount="Surface Mount", Number of Pins=2, Packaging="Tape and Reel", Pricing 1="1=1,00000, 10=0,88600, 50=0,82780, 100=0,73150, 500=0,69300 (USD)", Radiation Hardening=No, REACH SVHC=Yes, RoHS=Yes, Series Resistance=50R, Stock 1=64369, Supplier 1=Digi-Key, Termination=SMD/SMT, Tolerance=20ppm, Width=3.3mm
Y2: library part "Crystal Oscillator", "Crystal Oscillator", Manufacturer=NDK, Manufacturer Part Number=NX3225GD-8MHZ-STD-CRA-3, Supplier Part Number=644-1178-1-ND, Component Type="Crystal Oscillator", Price=0.94, Supplier=Digi-Key